# KiCad board ZX Max 128 Issue 3A PCB.kicad_pcb (continued)
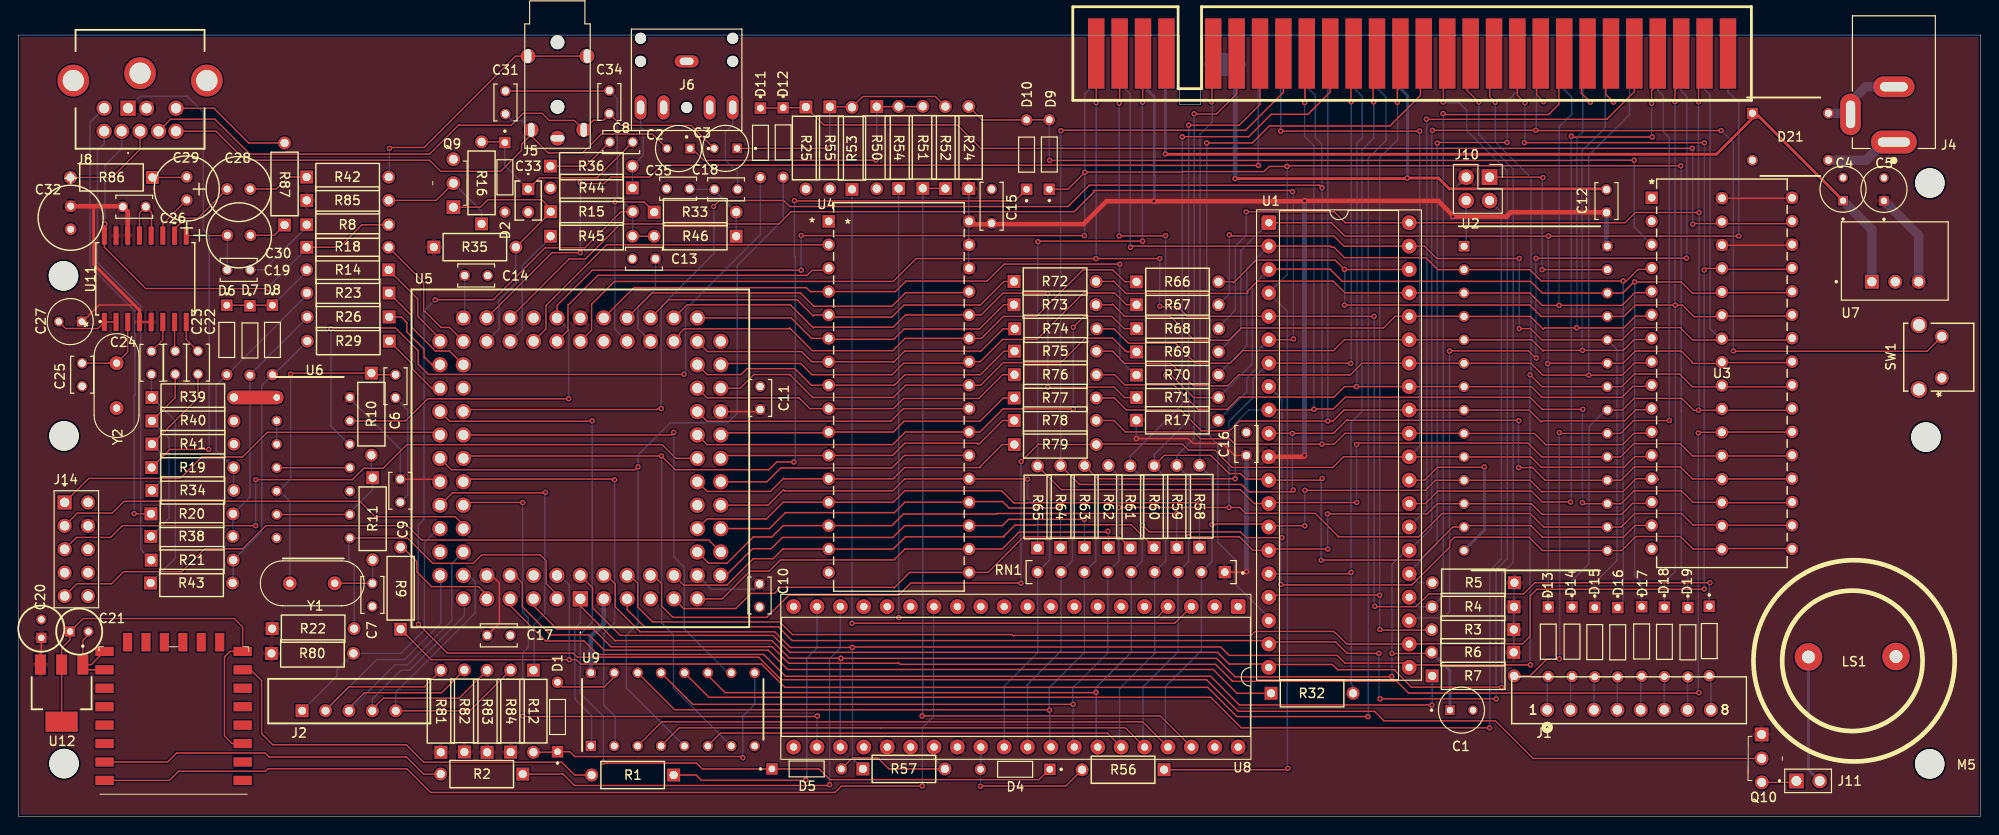
[diagram p0: board, top side]
## Footprints (pads in the part's own frame, mm; a bottom-side part is the same pattern mirrored in y, then rotated) (continued)
  rect 1.778x7.62 smd: B1(-25.4,0) B2(-22.86,0) B3(-20.32,0) B4(-17.78,0) B6(-12.7,0) B7(-10.16,0) B8(-7.62,0) B9(-5.08,0) B10(-2.54,0) B11(0,0) B12(2.54,0) B13(5.08,0) B14(7.62,0) B15(10.16,0) B16(12.7,0) B17(15.24,0) B18(17.78,0) B19(20.32,0) B20(22.86,0) B21(25.4,0) B22(27.94,0) B23(30.48,0) B24(33.02,0) B25(35.56,0) B26(38.1,0) B27(40.64,0) B28(43.18,0)

## Nets
+3V3D: C21.1 U12.2 U12.4 U15.3 U15.8
+9V: C4.1 D21.1 J3.A4 U7.1
+12V: J3.B22
-5V: J3.B20
-12V: J3.B23
GND: C1.2 C4.2 C5.2 C6.2 C7.2 C9.2 C10.2 C11.2 C12.2 C13.2 C14.2 C15.2 C16.2 C17.2 C20.2 C21.2 C25.2 C26.2 C27.2 C32.2 C33.2 C35.2 D2.A D21.2 J3.A6 J3.A7 J3.A14 J5.1 J6.1 J8.10 J8.11 J8.12 J14.02 J14.10 LS1.2 Q9.3 R15.2 R25.2 R39.2 R40.2 R41.2 R54.2 R55.2 SW1.1 SW1.3 SW1.4 U1.29 U2.14 U3.2 U3.16 U4.16 U5.7 U5.19 U5.32 U5.42 U5.47 U5.59 U5.72 U5.82 U6.1 U6.7 U7.2 U8.1 U8.24 U9.8 U11.1 U11.2 U11.12 U11.13 U12.1 U15.15 U15.16 Y2.2
VCC: C5.1 C9.1 C10.1 C11.1 C12.1 C13.1 C14.1 C15.1 C16.1 C17.1 C20.1 C26.1 C27.1 C32.1 J3.A3 J8.2 J10.3 J14.04 Q10.1 R3.1 R4.1 R5.1 R6.1 R17.1 R22.1 R24.1 R35.1 R80.1 R81.1 R82.1 R83.1 R84.1 R85.1 RN1.1 U1.11 U2.28 U3.30 U3.32 U4.30 U4.31 U4.32 U5.3 U5.13 U5.26 U5.38 U5.43 U5.53 U5.66 U5.78 U6.14 U7.3 U8.25 U8.28 U8.40 U9.16 U11.4 U11.5 U11.14 U11.15 U12.3
/Turbo Sound/L-in: C3.1 R52.2 R53.2 R55.1
/Turbo Sound/R-in: C2.1 R50.2 R51.2 R54.1
A0: J3.A9 R79.2 U1.30 U2.10 U3.12 U5.8
A1: J3.A10 R78.2 U1.31 U2.9 U3.11 U5.61
A2: J3.A11 R77.2 U1.32 U2.8 U3.10
A3: J3.A12 R76.2 U1.33 U2.7 U3.9
A4: J3.A24 R75.2 U1.34 U2.6 U3.8
A5: J3.A23 R74.2 U1.35 U2.5 U3.7
A6: J3.A22 R73.2 U1.36 U2.4 U3.6
A7: J3.A21 R72.2 U1.37 U2.3 U3.5
A8: D18.K J3.B26 R66.2 U1.38 U2.25 U3.27
A9: D15.K J3.A27 R67.2 U1.39 U2.24 U3.26
A10: D14.K J3.B27 R68.2 U1.40 U2.21 U3.23
A11: D13.K J3.A28 R69.2 U1.1 U2.23 U3.25
A12: D16.K J3.A2 R70.2 U1.2 U2.2 U3.4
A13: D17.K J3.B2 R71.2 U1.3 U2.26 U3.28
A14: D9.K D19.K J3.A1 R56.1 U1.4 U5.45 U6.13
A15: D20.K J3.B1 U1.5 U5.44
A-AY: R50.1 U8.4
Audio-L: C3.2 C34.2 J5.2 J8.8
Audio-R: C2.2 C31.2 J5.4 J8.9
B: C22.1 R34.1 R41.1
B-AY: R53.1 U8.3
BANK: R12.1 U5.68
BC1: D4.A R56.2 U8.29
BDIR: D5.A R57.2 U8.27
BK0: U5.67 U9.2
BK1: D12.A U5.64 U9.5
BK2: D10.K U5.65 U9.7
blue: R23.1 U5.57
bright: R14.1 U5.54
BUSAK: J3.A26 U1.23
BUSRQ: J3.A19 R5.2 U1.25
C-AY: R51.1 R52.1 U8.38
CLK: R17.2 U1.6 U5.49
CLK28: R22.2 U5.83 U6.8
CLKAY: U5.69 U8.22
CLKB: J3.A8 U5.51
Comp: J5.3 R42.2
Croma: J8.6 R87.2
Csync: J8.4 R8.2 R18.1 U11.16
D0: J3.B6 R58.2 RN1.2 U1.14 U2.11 U3.13 U8.37 U9.3
D1: J3.B7 R59.2 RN1.3 U1.15 U2.12 U3.14 U8.36 U9.4
D2: J3.B8 R60.2 RN1.4 U1.12 U2.13 U3.15 U8.35 U9.6
D3: J3.B11 R61.2 RN1.5 U1.8 U2.15 U3.17 U8.34 U9.11
D4: J3.B12 R62.2 RN1.6 U1.7 U2.16 U3.18 U8.33 U9.13
D5: J3.B10 R63.2 RN1.7 U1.9 U2.17 U3.19 U8.32 U9.14
D6: J3.B9 R64.2 RN1.8 U1.10 U2.18 U3.20 U8.31
D7: J3.B3 R65.2 RN1.9 U1.13 U2.19 U3.21 U8.30
EAR: Q9.1 R35.2 R44.1 U5.52
G: C23.1 R38.1 R40.1
green: R26.1 U5.56
HALT: J3.B15 U1.18
IN1: U8.17
IN2: U8.16
IN3: U8.15
IN4: U8.14 U15.22
INT: J3.B13 R32.2 U1.16
INTx: R32.1 U5.80
IOREQ: R9.2 U5.77
IORQ: J3.B17 U1.20 U5.2
IORQULA: J3.A13 R9.1 U5.84
KB0: J2.1 R80.2 U5.70
KB1: J2.2 R81.2 U5.74
KB2: J2.3 R82.2 U5.73
KB3: J2.4 R83.2 U5.75
KB4: J2.5 R84.2 U5.76
Luma: J8.5 R86.2
M1: J3.B24 U1.27
MIC: R33.1 U5.40
MIDI: R1.2 U15.7
MREQ: J3.B16 U1.19 U5.5
nA14: D11.A U6.12
NMI: J3.B14 R3.2 U1.17
OUT1: U8.21
OUT2: U8.20
OUT3: R1.1 U8.19
OUT4: R2.1 U8.18
PSG: D4.K D5.K U5.60
R: C24.1 R39.1 R43.1
RAM: U3.22 U5.81
RD: J3.B18 R57.1 U1.21 U2.22 U3.24 U5.4
red: R29.1 U5.58
RFSH: J3.B25 U1.28
ROM: R7.1 U5.79
ROM0: J10.2 U9.12
ROMCS: J3.A25 R7.2 U2.20
RST: C1.1 J3.A20 R6.2 SW1.2 U1.26 U5.1 U8.23 U9.1
SPK: R45.1 U5.50
sync: R18.2 U5.55
TCK1: J14.01 U5.62
TDI1: J14.09 U5.14
TDO1: J14.03 U5.71
TMS1: J14.05 U5.23
UA14: D9.A D10.A R24.2 U3.3
UA15: D11.K D12.K R25.1 U3.31
VA0: R79.1 U4.12 U5.21
VA1: R78.1 U4.11 U5.22
VA2: R77.1 U4.10 U5.24
VA3: R76.1 U4.9 U5.29
VA4: R75.1 U4.8 U5.31
VA5: R74.1 U4.7 U5.34
VA6: R73.1 U4.6 U5.33
VA7: R72.1 U4.5 U5.37
VA8: R66.1 U4.27 U5.36
VA9: R67.1 U4.26 U5.30
VA10: R68.1 U4.23 U5.25
VA11: R69.1 U4.25 U5.28
VA12: R70.1 U4.4 U5.41
VA13: R71.1 U4.28 U5.35
VA14: U4.3 U5.46
VA15: U4.2 U5.48
VB: U5.63 U9.10
VCS: U4.22 U5.20
VD0: R58.1 U4.13 U5.17
VD1: R59.1 U4.14 U5.15
VD2: R60.1 U4.15 U5.10
VD3: R61.1 U4.17 U5.9
VD4: R62.1 U4.18 U5.11
VD5: R63.1 U4.19 U5.12
VD6: R64.1 U4.20 U5.16
VD7: R65.1 U4.21 U5.18
VRD: U4.24 U5.27
VWR: U4.29 U5.39
WAIT: J3.B21 R4.2 U1.24
WR: J3.B19 U1.22 U3.29 U5.6
Net-(C6-Pad1): C6.1 R10.1 U6.5 Y1.1
Net-(C7-Pad1): C7.1 R11.2 Y1.2
Net-(C8--): C8.2 R36.1
Net-(C18-+): C18.1 C35.1 R33.2 R46.1
Net-(C18--): C18.2 J6.5
Net-(C19-+): C19.1 C30.1 U11.9
Net-(C19--): C19.2 R8.1
Net-(C22--): C22.2 U11.8
Net-(C23--): C23.2 U11.7
Net-(C24--): C24.2 U11.6
Net-(C25-+): C25.1 U11.3 Y2.1
Net-(C28-Pad2): C28.2 R42.1
Net-(C29-Pad2): C29.2 R86.1
Net-(C30-Pad2): C30.2 R87.1
Net-(C31-+): C31.1 C34.1 Q10.2 R44.2 R45.2 R46.2
Net-(C33-+): C8.1 C33.1 D2.K R16.2
Net-(D6-PadA): D6.A R19.2 R23.2 R34.2
Net-(D6-PadK): D6.K D7.K D8.K R14.2
Net-(D7-PadA): D7.A R20.2 R26.2 R38.2
Net-(D8-PadA): D8.A R21.2 R29.2 R43.2
Net-(D13-PadA): D13.A J1.1
Net-(D14-PadA): D14.A J1.2
Net-(D15-PadA): D15.A J1.3
Net-(D16-PadA): D16.A J1.4
Net-(D17-PadA): D17.A J1.5
Net-(D18-PadA): D18.A J1.6
Net-(D19-PadA): D19.A J1.7
Net-(D20-PadA): D20.A J1.8
Net-(D21-~_1): D21.3 J4.1
Net-(D21-~_2): D21.4 J4.2 J4.3
Net-(J6-Pad2): J6.2 R15.1 R36.2
Net-(J8-Pad1): J8.1 R19.1
Net-(J8-Pad3): J8.3 R20.1
Net-(J8-Pad7): J8.7 R21.1
Net-(J10-Pin_1): J10.1 U2.27
Net-(J10-Pin_4): J10.4 U2.1
Net-(J11-Pad2): J11.2 LS1.1
Net-(Q9-B): Q9.2 R16.1 R85.2
Net-(Q10-E): J11.1 Q10.3
Net-(R10-Pad2): R10.2 R11.1 U6.6 U6.9
Net-(U6-Pad2): U6.2 U6.3
Net-(U6-Pad11): U6.4 U6.11
Net-(U9-6Q): D1.A U9.15
Net-(U9-CLK): D1.K R12.2 U9.9
Net-(U11-COMP): C28.1 U11.10
Net-(U11-LUMA): C29.1 U11.11
Net-(U15-RXD0/RXD): R2.2 U15.21

Pads without a net: J3 A15 A16 A17 A18 B4 B28; J6 3 4; J14 06 07 08; U3 1; U4 1; U6 10; U8 2 5 6 7 8 9 10 11 12 13 26 39; U15 1 2 4 5 6 9 10 11 12 13 14 17 18 19 20

## Via types
v1: diameter 0.6, hole 0.3, Top to Bottom, 206 vias

## Routing (per net, layer and track width the routed paths; a pad name or vN(x,y) marks a point on that pad's centre or on a via; arc(x,y) is an arc through that point)
+3V3D: length 45.6
  Top w0.15: U15.3 23.2,7.92 22.37,8.75 22.37,17.33 22.96,17.92 U15.8 24.35,20.57 23.43,21.49 7.01,21.49 C21.1 5.6,19.19 4.69,18.28 U12.2 U12.4
+9V: length 101.4
  Top w0.15: 188.25,75.69 188.25,76.3 D21.1 188.58,76.32 ; v1(124.5,71.91) 124.54,71.87
  Top w0.3: C4.1 198.07,66.85 188.6,76.32 188.58,76.32 ; 124.54,71.87 184.33,71.87 188.23,75.77 D21.1
  Bottom w0.15: J3.A4 124.5,82.68
  Bottom w0.3: 124.5,82.68 v1(124.5,71.91)
  Bottom w1: U7.1 201.2,63.71 C4.1
+12V: length 5.9
  Top w0.15: v1(170.64,77.53) 169.67,78.5 169.67,82.13 J3.B22
-5V: length 5.7
  Top w0.15: J3.B20 164.81,82.35 164.81,78.33 v1(165.56,77.58)
-12V: length 5.9
  Top w0.15: J3.B23 172.31,82.23 172.31,78.37 v1(173.15,77.53)
GND: length 129.6
  Top w0.15: U11.13 13.14,65.49 C26.2 14.45,65.55 14.45,63.09 U11.12 ; U12.1 7.56,15.92 U15.16 ; U12.1 6.99,19.12 7.6,19.73 C21.2 ; U12.1 7.92,16.49 U15.15 ; U11.2 U11.1 8.62,52.96 5.13,52.96 C27.2 ; v1(159.13,37.94) 159.09,37.9 154.04,37.9 152.64,36.5 U1.29 ; v1(150.75,69.29) 150.72,69.32
  Top w0.3: C12.2 172.31,68.12 155.31,68.12 154.14,69.29 v1(150.75,69.29) ; 150.72,69.32 150.63,69.23 v1(132.07,69.23)
  Top w1.5: U6.1 R39.2
  Bottom w0.15: 150.79,69.33 v1(150.75,69.29) ; J3.A14 150.79,82.03 ; C9.2 42.26,34.91 42.26,44.13 C6.2
  Bottom w0.3: 150.79,69.33 150.79,78.25 150.02,79.02 150.02,81.26 150.79,82.03 ; v1(159.13,37.94) 159.13,31.07 U2.14
  Bottom w0.5: v1(132.07,69.23) 132.08,69.24 132.08,82.64 J3.A7
  Bottom w2.5: 130,81.6 132,81.6
VCC: length 299
  Top w0.15: C26.1 11.87,65.63 ; U5.66 45.48,36.61 C9.1 ; C17.1 52.21,20.98 52.21,25.34 51.38,26.17 U5.78 ; U5.26 80.29,43.95 C11.1 ; U11.4 U11.5 ; U11.4 13.14,53.67 13.14,55.03 12.65,55.52 8.76,55.52 6.95,53.71 C27.1 ; U11.4 13.14,54.71 ; U3.30 184.94,62 192.47,62 U3.30 ; v1(133.32,26.57) 133.28,26.53 RN1.1 ; 192.16,61.54 192.54,61.92 ; 192.16,66.78 U3.32 192.49,67.1 U3.32 185.25,66.78 ; U12.3 2.49,16.59 C20.1 ; 185.46,61.54 185.13,61.87 184.92,61.87 ; v1(121.36,41.02) 126.99,41.02 127.52,40.49 130.71,40.49 132.01,39.19 C16.1 ; 192.16,66.62 192.54,67 ; 184.92,66.95 185.25,66.62
  Top w0.3: 13.14,54.71 13.14,54.94 8.16,59.92 8.16,66.23
  Top w0.5: U1.11 139.49,39.04 139.61,39.16 v1(139.61,39.2) ; C32.1 11.27,66.23 11.87,65.63 U11.14 ; C12.1 172.35,65.58 162,65.58 161.53,65.11 155.83,65.11 154.13,66.81 v1(139.61,66.81) 139.57,66.77 118.1,66.77 115.62,64.29 105.13,64.29 105.11,64.27 103.52,64.27 U4.32
  Bottom w0.15: U6.14 35.98,45.35 41.46,39.87 C9.1 ; U5.13 75.2,24.67 79.88,24.67 C10.1 ; U5.53 48.44,54.25 C14.1 ; v1(121.36,41.02) 121.35,41.03 R17.1 ; C13.1 69.15,57.24 67.26,55.35 67.26,52.93 U5.38 ; R5.1 162.35,25.34 R4.1 162.33,22.74 R3.1 162.32,20.28 R6.1 ; J10.3 155.7,67.93 v1(155.7,65.11) ; 172.39,61.99 U2.28 ; 133.3,26.59 v1(133.32,26.57) ; U4.30 103.16,59.55 R24.1 ; 202.53,66.81 C5.1 ; v1(123.25,66.77) 123.3,66.82
  Bottom w0.3: J3.A3 122.59,82.29 122.59,78.82 123.3,78.11 123.3,66.82
  Bottom w0.5: v1(139.61,66.81) v1(139.61,39.2) ; C16.1 133.3,26.59 ; U5.3 63.54,20.98 62.14,19.58 U9.16 ; C12.1 172.39,61.99
  Bottom w1: 202.53,66.81 206.28,63.06 U7.3
/Turbo Sound/L-in: length 28.1
  Top w0.15: R52.2 99.53,78.14 91.66,78.14 R53.2 90.43,77.02 R55.1 ; 88.08,72.56 v1(88.07,72.57) 88.01,72.51 C3.1
  Bottom w0.15: R55.1 88.08,72.58 v1(88.07,72.57)
/Turbo Sound/R-in: length 31.6
  Top w0.15: R54.1 98.14,77.04 R51.2 ; v1(93.08,71.25) 93.05,71.22 75.15,71.22 75.13,71.2 74.41,71.2 73.12,72.49 C2.1
  Bottom w0.15: R54.1 93.17,71.34 v1(93.08,71.25)
A0: length 189.5
  Top w0.15: v1(137.03,74.38) v1(152.12,74.38) ; v1(108.85,38.53) 110.73,40.41 110.97,40.41 111.01,40.37 R79.2 117.07,40.43 126.35,40.43 126.35,40.42 127,39.77 129.87,39.77 131.75,37.89 142.65,37.89 142.67,37.87 143.84,39.04 U1.30 156.91,39.04 U2.10 164.19,39.03 165.3,37.92 174.3,37.92 175.44,39.06 177.3,39.06 ; U5.8 68.94,26.17 69.82,25.29 69.82,22.84 71.04,21.62 81.31,21.62 81.31,21.7 83.63,24.02 95.56,24.02 96.88,25.34 108.82,25.34 v1(108.83,25.33)
  Bottom w0.15: v1(137.03,74.38) 137.03,82.51 J3.A9 ; v1(152.12,74.38) 152.12,40.19 U1.30 ; v1(108.83,25.33) 108.83,38.51 v1(108.85,38.53)
A1: length 219.6
  Top w0.15: v1(69.79,44.28) 69.42,44.28 69.31,44.17 48.52,44.17 U5.61 ; R78.2 118.92,42.98 120.16,41.74 127.58,41.74 128.32,41 131.47,41 132.06,40.41 v1(141.5,40.41) 142.82,40.41 143.99,41.58 U1.31 156.91,41.58 U2.9 164.58,41.57 165.79,40.36 174.13,40.36 175.32,41.55 175.35,41.55 175.4,41.6 177.3,41.6 ; v1(75.46,66.2) 76.11,66.85 83.08,66.85 83.73,66.2 113.93,66.2 116.24,68.51 141.25,68.51 v1(141.52,68.24)
  Bottom w0.15: J3.A10 139.86,79.2 140.79,78.27 140.79,73.68 141.49,72.98 141.49,68.27 v1(141.52,68.24) 141.5,68.22 v1(141.5,40.41) ; v1(75.46,66.2) 75.5,66.16 75.5,61.09 69.79,55.38 v1(69.79,44.28)
A2: length 103.9
  Top w0.15: 177.3,44.14 175.57,44.14 174.37,42.94 165.43,42.94 165.3,42.81 164,44.11 U2.8 156.91,44.12 U1.32 143.9,44.12 142.7,42.92 v1(142.14,42.92) 132.55,42.92 131.49,41.86 128.42,41.86 126.24,44.04 126.24,44.13 120.26,44.13 118.97,45.42 R77.2
  Bottom w0.15: J3.A11 142.4,79.1 142.14,78.84 142.14,42.92 v1(142.14,42.92)
A3: length 100.6
  Top w0.15: 177.3,46.68 175.24,46.68 174.05,45.49 165.41,45.49 164.25,46.65 U2.7 156.91,46.66 U1.33 v1(145.25,46.66) 143.94,46.66 142.8,45.52 132.55,45.52 131.22,44.19 128.07,44.19 125.41,46.85 120.1,46.85 119,47.95 R76.2
  Bottom w0.15: J3.A12 144.94,79.11 145.89,78.16 145.89,73.68 145.3,73.09 145.3,46.71 v1(145.25,46.66)
A4: length 100.9
  Top w0.15: 177.3,49.22 175.42,49.22 174.06,47.86 174.02,47.9 v1(170.47,47.9) 165.48,47.9 164.19,49.19 U2.6 150.99,49.19 U1.34 145.85,49.2 144.58,47.93 132.47,47.93 131.29,46.75 127.54,46.75 125.11,49.18 120.08,49.18 118.76,50.5 R75.2
  Bottom w0.15: v1(170.47,47.9) 170.47,47.9 170.47,71.75 174.89,76.17 174.89,82.27 J3.A24
A5: length 97.4
  Top w0.15: R74.2 118.93,52.93 120.51,51.35 125.62,51.35 127.77,49.2 131.55,49.2 132.92,50.57 142.76,50.57 143.93,51.74 U1.35 156.91,51.74 U2.5 164.3,51.73 165.51,50.52 165.58,50.59 v1(169.78,50.59) 174.23,50.59 175.4,51.76 177.3,51.76
  Bottom w0.15: J3.A23 172.25,82.17 172.25,74.76 169.74,72.25 169.74,50.63 v1(169.78,50.59)
A6: length 94.5
  Top w0.15: R73.2 118.71,55.54 118.77,55.6 120.04,54.33 120.04,54.29 125.05,54.29 127.65,51.69 131.41,51.69 132.74,53.02 148.18,53.02 149.44,54.28 U1.36 156.91,54.28 U2.4 164.13,54.27 165.51,52.89 165.65,53.03 v1(169.16,53.03) 174.27,53.03 175.54,54.3 177.3,54.3
  Bottom w0.15: J3.A22 169.82,82.28 169.82,74.25 169.18,73.61 169.18,53.05 v1(169.16,53.03)
A7: length 91.6
  Top w0.15: 177.3,56.84 175.46,56.84 174.09,55.47 v1(167.25,55.47) 165.41,55.47 164.07,56.81 U2.3 156.91,56.82 U1.37 144,56.82 142.72,58.1 134.6,58.1 134.56,58.14 133.45,57.03 133.45,56.77 120.22,56.77 118.87,58.12 118.82,58.07 R72.2
  Bottom w0.15: v1(167.25,55.47) 167.25,74.86 168.54,76.15 168.62,76.15 168.62,78.05 167.8,78.87 J3.A21
A8: length 138.1
  Top w0.15: 184.92,54.25 181.88,54.25 180.59,55.54 180.55,55.5 v1(179.87,55.5) 175.5,55.5 174.27,54.27 U2.25 165.31,54.27 164.07,55.51 v1(143.94,55.51) ; 184.92,54.25 185.09,54.07 ; 184.92,54.25 185.25,53.92 ; R66.2 131.79,58.03 131.9,57.92 134.37,60.39 142.93,60.39 v1(143.94,59.38) 143.96,59.36 U1.38 ; U3.27 185.01,54.31 192.4,54.31 U3.27 ; J3.B26 180.5,79.52 179.83,78.85 v1(179.83,77.59) ; 192.01,54.07 192.16,53.92
  Bottom w0.15: v1(143.94,59.38) 143.97,59.35 143.97,55.54 v1(143.94,55.51) ; D18.K 178.68,25.41 179.87,26.6 v1(179.87,55.5) 179.83,55.54 v1(179.83,77.59)
A9: length 141.9
  Top w0.15: v1(131.45,63.13) 131.58,63 142.8,63 143.9,61.9 U1.39 152.63,61.9 153.97,60.56 v1(162.93,60.56) ; v1(162.91,52.95) 164.07,52.95 164.11,52.99 165.37,51.73 U2.24 174.08,51.73 175.41,53.06 180.5,53.06 180.5,52.95 181.74,51.71 192.49,51.71 192.54,51.76
  Bottom w0.15: v1(131.45,63.13) 131.45,56.71 R67.2 ; J3.A27 183.04,78.9 183.63,78.31 183.63,52.97 184.74,51.86 U3.26 ; U2.24 173.54,50.68 173.54,27.84 173.56,27.82 171.12,25.38 D15.K ; v1(162.91,52.95) 162.93,52.97 v1(162.93,60.56)
A10: length 147.3
  Top w0.15: U2.21 174.12,44.11 175.39,45.38 180.56,45.38 181.85,44.09 v1(182.38,44.09) 192.49,44.09 192.54,44.14 ; v1(133.27,65.62) 142.84,65.62 144.02,64.44 U1.40 174.42,64.44 175.53,65.55 v1(182.44,65.55) ; J3.B27 182.38,82.14 v1(182.38,77.57)
  Bottom w0.15: v1(182.38,44.09) 182.44,44.15 v1(182.44,65.55) 182.38,65.61 v1(182.38,77.57) ; R68.2 130.3,53.14 132.1,54.94 132.1,61.9 133.27,63.07 v1(133.27,65.62) ; D14.K 168.65,25.62 168.92,25.89 168.94,25.89 170.49,27.44 170.49,42.3 172.3,44.11 U2.21
A11: length 156.3
  Top w0.15: v1(166,49.15) 166.04,49.19 U2.23 174.18,49.19 175.5,50.51 180.52,50.51 181.66,49.37 181.66,49.28 181.77,49.17 184.92,49.17 185.01,49.26 192.5,49.26 192.54,49.22 ; U1.1 142.54,64.44 143.99,62.99 v1(166.08,62.99) v1(186.76,62.99)
  Bottom w0.15: J3.A28 185.58,78.64 186.76,77.46 v1(186.76,62.99) ; R69.2 132.7,52.85 132.7,61.43 134.69,63.42 134.71,63.42 U1.1 ; v1(166.08,62.99) 166.08,49.23 v1(166,49.15) 166.07,49.08 D13.K
A12: length 132.2
  Top w0.15: 177.3,59.38 175.81,59.38 174.55,58.12 v1(174.2,58.12) 165.31,58.12 164.08,59.35 U2.2 154.08,59.35 152.78,60.65 143.94,60.65 142.81,61.78 142.53,61.78 142.41,61.9 U1.2 120.84,61.9 v1(120.72,61.78)
  Bottom w0.15: D16.K 174.2,23.28 v1(174.2,58.12) ; U1.2 133.35,59.52 133.35,51.1 130.28,48.03 R70.2 ; v1(120.72,61.78) 120.69,61.81 120.69,78.41 119.54,79.56 J3.A2
A13: length 158.5
  Top w0.15: J3.B2 119.54,77.44 v1(119.5,77.4) ; v1(119.5,63.01) 124.5,63.01 v1(124.53,63.04) ; 192.16,56.46 192.54,56.84 192.53,56.85 184.98,56.85 184.92,56.79 ; 184.92,56.79 185.25,56.46 ; 184.92,56.79 181.73,56.79 180.53,57.99 180.53,58.01 175.56,58.01 175.5,58.07 v1(175.45,58.02) 175.37,58.02 174.16,56.81 U2.26 165.42,56.81 164.15,58.08 143.71,58.08 142.38,59.41 135.78,59.41 U1.3 ; R71.2 127.58,45.47 125.16,47.89 v1(124.53,47.89)
  Bottom w0.15: v1(119.5,77.4) v1(119.5,63.01) ; v1(124.53,63.04) v1(124.53,47.89) ; R71.2 133.92,49.11 133.92,57.55 U1.3 ; v1(175.45,58.02) 175.45,26.26 175.38,26.19 176.21,25.36 D17.K
A14: length 316.8
  Top w0.15: v1(115.71,63.05) v1(84.96,63.05) 84.91,63.1 ; R56.1 137.65,5.08 137.76,5.19 137.76,5.21 137.79,5.24 v1(137.81,5.24) ; D9.K 113.93,68.08 v1(115.76,69.91) 115.78,69.93 126.37,69.93 126.43,69.99 135.23,69.99 135.79,70.55 v1(137.72,70.55) 137.79,70.62 v1(180.45,70.62) ; v1(84.98,59.29) 84.97,59.3 62.3,59.3 58.46,55.46 U5.45 ; U6.13 42.02,42.94 44.42,45.34 v1(59.73,45.34)
  Bottom w0.15: v1(137.72,70.55) 137.72,58.81 U1.4 137.75,54.81 137.75,5.3 v1(137.81,5.24) ; U5.45 59.73,52.84 v1(59.73,45.34) ; v1(180.45,70.62) 180.49,70.58 180.49,43.96 180.54,43.91 180.51,43.88 180.51,27.12 181.23,26.4 D19.K ; v1(84.98,59.29) 84.96,59.31 v1(84.96,63.05) ; J3.A1 117,79.65 115.76,78.41 v1(115.76,69.91) 115.76,63.1 v1(115.71,63.05)
A15: length 191
  Top w0.15: v1(147.23,22.82) 147.27,22.78 151.72,22.78 153.1,24.16 163.4,24.16 164.62,25.38 v1(183.63,25.38) ; v1(116.99,77.46) 117,77.47 J3.B1 ; U5.44 62.22,52.79 62.22,55.6 64.69,58.07 94.97,58.07 97.45,60.55 v1(116.97,60.55) v1(123.9,60.55) ; v1(123.9,55.37) 123.94,55.33 125.84,55.33 126.89,54.28 127.16,54.28 127.16,54.28 U1.5 147.15,54.28 v1(147.15,54.28)
  Bottom w0.15: v1(116.97,60.55) 116.99,60.57 v1(116.99,77.46) ; v1(123.9,55.37) 123.87,55.4 123.87,57.63 123.9,57.66 v1(123.9,60.55) ; D20.K 183.55,25.3 v1(183.63,25.38) ; v1(147.23,22.82) 147.17,22.88 147.17,54.26 v1(147.15,54.28)
A-AY: length 76.3
  Top w0.15: v1(95.57,21.6) 123.6,21.6 U8.4
  Bottom w0.15: v1(95.57,21.6) 95.57,21.85 95.55,21.87 R50.1
Audio-L: length 67.4
  Top w0.15: J8.8 16.51,75.67 21.34,75.67 25.12,71.89 44.64,71.89 47.84,75.09 47.91,75.02 53.5,75.02 54.79,76.31 56.85,76.31 57.62,75.54 60.35,75.54 J5.2 62.41,75.56 63.53,75.56 64.14,76.17 C34.2 65.42,75.01 73.02,75.01 C3.2
Audio-R: length 64.1
  Top w0.15: J8.9 21.46,74.37 24.61,71.22 44.62,71.22 45.82,70.02 52.35,70.02 54.62,72.29 54.62,72.96 55.67,74.01 J5.4 55.67,73.85 57.5,72.02 61.24,72.02 63.28,74.06 68.84,74.06 C2.2
  Bottom w0.15: J5.4 54.67,75.52 53.59,75.52 C31.2
B: length 15.4
  Top w0.15: R41.1 19.49,45.41 C22.1
  Bottom w0.15: R41.1 15.38,39.53 15.38,36.29 R34.1
B-AY: length 84.7
  Top w0.15: v1(90.47,20.98) 125.52,20.98 U8.3
  Bottom w0.15: v1(90.47,20.98) 90.49,21 R53.1
BANK: length 31.9
  Top w0.15: v1(57.23,35.18) 56.94,35.18 56.89,35.13 47.1,35.13 U5.68
  Bottom w0.15: v1(57.23,35.18) 57.14,35.09 57.14,22.03 55.98,20.87 55.98,15.96 R12.1
BC1: length 16.1
  Top w0.15: R56.2 113.7,3.32 104.42,3.32
  Bottom w0.15: 104.48,3.21 104.43,3.26 v1(104.43,3.28) D4.A 104.47,5.17 U8.29
BDIR: length 15.1
  Top w0.15: D5.A 90.53,6.37 93.3,6.37 94.5,5.17 R57.2
  Bottom w0.15: U8.27 99.39,6.36 R57.2
BK0: length 46.5
  Top w0.15: U5.67 48.59,36.62 64.64,36.62 v1(64.72,36.54)
  Bottom w0.15: U9.2 64.77,7.75 64.77,10.86 63.54,12.09 63.54,19.85 64.72,21.03 v1(64.72,36.54)
BK1: length 97.2
  Top w0.15: U5.64 47,37.63 66.94,37.63 v1(67.26,37.95)
  Bottom w0.15: U9.5 65.99,13.97 65.99,19.65 67.26,20.92 v1(67.26,37.95) 67.26,39.23 70.76,42.73 77,42.73 78.03,43.76 78.03,59.8 83.02,64.79 D12.A
BK2: length 125.8
  Top w0.15: D10.K 108.18,66.8 84.28,66.8 v1(84.24,66.84) ; v1(84.18,38.48) 82.31,38.48 81.47,37.64 71.3,37.64 v1(69.81,39.13) 48.56,39.13 U5.65
  Bottom w0.15: v1(84.18,38.48) 84.33,38.63 84.33,60.73 84.24,60.82 v1(84.24,66.84) ; v1(69.81,39.13) 69.81,21.01 71.1,19.72 71.1,13.94 U9.7
blue: length 12
  Top w0.15: R23.1 42.7,54.34 42.7,53.09 45.27,50.52 46.81,50.52 U5.57
bright: length 10.1
  Top w0.15: R14.1 43.35,56.17 43.35,54.28 45.76,51.87 U5.54
BUSAK: length 92.5
  Top w0.15: v1(155.35,50.52) 155.37,50.54 163.92,50.54 164.69,49.77 v1(164.78,49.77) ; v1(164.73,60.57) 164.75,60.59 v1(181.07,60.59)
  Bottom w0.15: J3.A26 180.5,78.73 181.12,78.11 181.12,60.64 v1(181.07,60.59) ; v1(164.78,49.77) 164.73,49.82 v1(164.73,60.57) ; U1.23 151.28,21.57 154.68,21.57 155.37,22.26 155.35,22.28 v1(155.35,50.52)
BUSRQ: length 68.6
  Top w0.15: v1(154.02,73.08) 154.09,73.15 v1(161.6,73.15)
  Bottom w0.15: R5.2 152.23,25.38 152.22,25.39 151.93,25.39 U1.25 150.97,26.54 154.02,29.59 v1(154.02,73.08) ; J3.A19 162.72,78.71 161.6,77.59 v1(161.6,73.15)
C-AY: length 90.4
  Top w0.15: v1(98.1,10.92) 123.95,10.92 U8.38 ; R51.1 100.6,68.17 R52.1
  Bottom w0.15: R51.1 98.17,10.99 v1(98.1,10.92)
CLK: length 120.6
  Top w0.15: U5.49 59.77,60.5 59.77,60.51 61.55,60.51 65.35,64.31 82.55,64.31 83.88,65.64 114.62,65.64 116.75,67.77 116.75,67.94 138.17,67.94 v1(138.31,67.8) ; U1.6 138.33,51.74 v1(138.41,51.82)
  Bottom w0.15: U1.6 134.5,50.51 134.5,48.72 133.35,47.57 133.35,46.1 R17.2 ; v1(138.41,51.82) 138.41,67.7 v1(138.31,67.8)
CLK28: length 37.8
  Top w0.15: U5.83 58.46,24.11 57.29,25.28 57.29,27.76 56.65,28.4 50.3,28.4 49.38,27.48 44.99,27.48 42.23,30.24 U6.8
  Bottom w0.15: U6.8 35.87,30.13 35.87,27.75 36.44,27.18 R22.2
CLKAY: length 65.7
  Top w0.15: v1(54.76,10.9) 54.8,10.86 86.67,10.86 v1(86.73,10.92) ; U5.69 48.6,34.09 54.72,34.09 v1(54.74,34.07)
  Bottom w0.15: U8.22 86.69,10.88 v1(86.73,10.92) ; v1(54.74,34.07) 54.74,22.17 55.35,21.56 55.35,18.38 54.74,17.77 54.74,10.92 v1(54.76,10.9)
CLKB: length 107.4
  Top w0.15: v1(60.99,68.79) 61.1,68.68 63.58,68.68 64.29,69.39 68.54,69.39 69.83,70.68 123.02,70.68 123.04,70.66 v1(134.61,70.66) ; U5.51 57.92,61.19 v1(60.99,61.19)
  Bottom w0.15: v1(60.99,68.79) v1(60.99,61.19) ; v1(134.61,70.66) 134.6,70.67 134.6,82.62 J3.A8
Comp: length 28.7
  Top w0.15: v1(40.28,72.51) 40.38,72.61 44.05,72.61 53.96,82.52 J5.3 J5.3
  Bottom w0.15: R42.2 40.27,69.48 40.27,72.5 v1(40.28,72.51)
Croma: length 13.3
  Top w0.15: R87.2 25,73.1 21.23,76.87 J8.6
Csync: length 49.4
  Top w0.15: R18.1 34.85,61.77 37.3,64.22 R8.2 ; v1(27.08,57.3) 13.81,57.3 9.33,61.78 U11.16 9.33,64.26 v1(9.39,64.32)
  Bottom w0.15: v1(9.39,64.32) 9.39,70.68 11.21,72.5 J8.4 ; 27.06,56.98 27.06,57.41 31.29,61.64 R18.1
D0: length 193.4
  Top w0.15: U9.3 69.84,10.28 122.05,10.28 U8.37 ; J3.B6 129.56,82.66 129.56,77.62 v1(129.51,77.57) ; v1(129.56,31.69) 129.99,31.69 130.05,31.75 135.41,31.75 U1.14 135.87,31.56 v1(139.65,31.56) ; v1(139.65,35.4) 152.73,35.4 153.82,36.49 U2.11 164.11,36.49 165.37,35.23 165.41,35.27 174.2,35.27 175.59,36.66 177.97,36.66 178.04,36.59 177.97,36.52 177.3,36.52
  Bottom w0.15: v1(129.51,77.57) 129.6,77.48 129.6,75.37 128.27,74.04 128.27,38.19 R58.2 129.56,36.77 v1(129.56,31.69) 129.56,27.67 RN1.2 128.42,18.03 124.51,14.12 124.51,7.82 U8.37 ; v1(139.65,35.4) v1(139.65,31.56)
D1: length 192.5
  Top w0.15: v1(127.64,76.26) 127.66,76.24 130.05,76.24 132.24,78.43 J3.B7 ; U8.36 120.16,9.63 93.62,9.63 93.6,9.61 93.58,9.63 71.73,9.63 U9.4 ; v1(142.1,32.84) 152.92,32.84 154.03,33.95 U2.12 164.25,33.95 165.41,32.79 174.02,32.79 175.21,33.98 177.3,33.98 ; v1(127.03,30.36) 132.56,30.36 134.04,28.88 U1.15 135.89,29.04 142.12,29.04 v1(142.14,29.02)
  Bottom w0.15: v1(127.64,76.26) 127.64,41.07 125.76,39.19 R59.2 127.03,36.83 v1(127.03,30.36) 127.03,27.68 RN1.3 125.88,17.88 122.08,14.08 122.08,7.71 U8.36 ; v1(142.14,29.02) 142.12,29.04 142.12,32.82 v1(142.1,32.84)
D2: length 199.7
  Top w0.15: v1(127.03,75.03) 132.52,75.03 134.78,77.29 J3.B8 ; U9.6 74.84,7.68 76.21,9.05 118.2,9.05 U8.35 ; v1(141.41,27.82) 141.43,27.84 152.13,27.84 155.7,31.41 U2.13 157.1,31.58 164.17,31.58 165.44,30.31 174.23,30.31 175.51,31.59 U3.15 177.3,31.44 ; R60.2 124.41,39.2 129.44,39.2 131.42,37.22 132.67,37.22 133.27,36.62 135.85,36.62 U1.12 141.35,36.5 v1(141.54,36.69)
  Bottom w0.15: v1(141.54,36.69) 141.41,36.56 v1(141.41,27.82) ; U8.35 119.53,7.72 119.53,13.88 123.4,17.75 123.34,17.81 RN1.4 124.55,27.74 124.55,36.82 R60.2 123.29,39.28 127.03,43.02 v1(127.03,75.03)
D3: length 234.4
  Top w0.15: v1(116.97,13.47) 116.96,13.45 76.72,13.45 74.84,15.33 U9.11 ; 192.54,28.9 192.36,29.08 184.96,29.08 184.92,29.04 181.78,29.04 180.43,30.39 175.56,30.39 174.04,28.87 U2.15 165.44,28.87 164,30.31 155.88,30.31 155.37,29.8 155.37,29.24 151.27,25.14 137.09,25.14 v1(137.03,25.2) ; v1(126.34,73.76) 126.36,73.78 133.56,73.78 135.99,76.21 139.98,76.21 142.4,78.63 J3.B11 ; v1(137.16,30.27) 133.27,30.27 132.65,30.89 122.75,30.89 v1(122.02,31.62)
  Bottom w0.15: U8.34 116.99,7.72 116.99,13.45 v1(116.97,13.47) 116.97,14.01 120.8,17.84 RN1.5 122.02,27.75 v1(122.02,31.62) 122.02,36.73 R61.2 120.69,39.09 126.34,44.74 v1(126.34,73.76) ; v1(137.03,25.2) 137.03,30.14 v1(137.16,30.27) 137.16,45.24 U1.8
D4: length 216.9
  Top w0.15: v1(119.46,33.54) v1(131.41,33.54) 132.58,33.54 133.22,32.9 140.78,32.9 143.25,30.43 143.25,30.36 151.91,30.36 151.97,30.3 154.55,32.88 164.12,32.88 165.59,31.41 U2.16 173.98,31.41 175.45,32.88 180.54,32.88 181.77,31.65 185.19,31.65 185.23,31.61 192.37,31.61 192.54,31.44 ; v1(114.5,12.18) 73.18,12.18 U9.13 ; v1(144.62,49.17) 144.59,49.2 U1.7 ; v1(144.67,77.58) 144.65,77.6 144.65,82.51 J3.B12
  Bottom w0.15: v1(144.62,49.17) 144.67,49.22 v1(144.67,77.58) ; U8.33 114.48,7.69 114.48,12.16 v1(114.5,12.18) 114.44,12.24 114.44,13.95 118.26,17.77 RN1.6 119.46,27.73 v1(119.46,33.54) 119.46,36.96 R62.2 ; v1(131.41,33.54) 131.41,42.88 134.06,45.53 134.02,45.57 134.02,47.49 U1.7
D5: length 215.2
  Top w0.15: J3.B10 139.66,82.6 139.66,77.53 v1(139.62,77.49) ; v1(111.93,11.54) 111.88,11.59 71.23,11.59 U9.14 ; R63.2 117.16,36.66 v1(132.08,36.66) ; U1.9 140.56,44.12 v1(140.63,44.19) 140.67,44.23 142.75,44.23 144.02,45.5 164.09,45.5 165.4,44.19 v1(169.83,44.19) ; v1(169.78,34.07) 169.9,33.95 U2.17 173.99,33.95 175.39,35.35 180.54,35.35 181.79,34.1 185.16,34.1 185.2,34.06 192.46,34.06 192.54,33.98
  Bottom w0.15: v1(140.63,44.19) 140.63,72.79 139.62,73.8 v1(139.62,77.49) ; U1.9 133.55,44.12 132.08,42.65 v1(132.08,36.66) ; v1(169.78,34.07) 169.78,44.14 v1(169.83,44.19) ; U8.32 111.95,7.68 111.95,11.52 v1(111.93,11.54) 111.91,11.56 111.91,14 115.72,17.81 RN1.7 116.95,27.76 116.95,36.87 R63.2
D6: length 196.8
  Top w0.15: 192.54,36.52 192.42,36.64 181.73,36.64 180.42,37.95 175.41,37.95 173.95,36.49 U2.18 165.73,36.49 164.26,37.96 164.17,37.87 v1(162.84,37.87) ; v1(138.39,35.44) 138.18,35.23 133.57,35.23 132.76,36.04 115.18,36.04 R64.2 ; J3.B9 137.32,78.59 133.21,74.48 113.21,74.48 v1(113.15,74.42) ; v1(162.87,42.96) 162.83,43 144.35,43 144.26,43.09 142.93,41.76 142.91,41.76 142.73,41.58 v1(138.29,41.58) U1.10
  Bottom w0.15: v1(138.39,35.44) 138.29,35.54 v1(138.29,41.58) ; v1(162.84,37.87) 162.84,42.93 v1(162.87,42.96) ; U8.31 109.55,14.22 109.48,14.29 113.18,17.99 RN1.8 114.42,27.77 114.42,36.8 R64.2 113.13,74.4 v1(113.15,74.42)
D7: length 181
  Top w0.15: 192.54,39.06 192.47,39.13 181.74,39.13 180.41,40.46 175.35,40.46 173.92,39.03 U2.19 165.37,39.03 163.87,40.53 145.42,40.53 v1(145.26,40.37) ; v1(122.03,62.44) 110.73,62.44 v1(110.67,62.38) ; R65.2 113.22,35.47 132.64,35.47 134.15,33.96 U1.13 135.85,34.08 145.27,34.08 v1(145.28,34.09) ; v1(122.03,77.51) 122.04,77.52 122.04,82.76 J3.B3
  Bottom w0.15: v1(122.03,77.51) 122.01,77.49 122.01,62.46 v1(122.03,62.44) ; v1(145.28,34.09) 145.26,34.11 v1(145.26,40.37) ; v1(110.67,62.38) 110.64,62.35 R65.2 111.93,36.76 111.93,27.77 111.88,27.77 RN1.9 110.64,17.79 107.01,14.16 U8.30
EAR: length 28.6
  Top w0.15: Q9.1 50.14,66.13 50.95,66.94 56.81,66.94 57.79,65.96 R44.1 57.79,65.58 R35.2
  Bottom w0.15: R35.2 54,57.87 52.16,56.03 52.16,52.89 U5.52
G: length 20.2
  Top w0.15: R40.1 17.02,45.46 C23.1
  Bottom w0.15: R38.1 16.35,32.38 16.35,41.07 R40.1
green: length 8.8
  Top w0.15: U5.56 44.89,49.03 44.03,49.89 44.03,50.73 42.16,52.6 42.16,53.62 41.56,54.22 R26.1
HALT: length 84.7
  Top w0.15: v1(128.99,73.1) 133.95,73.1 135.79,74.94 148.89,74.94 152.2,78.25 152.2,79.52 152.56,79.88 J3.B15
  Bottom w0.15: v1(128.99,73.1) 128.99,41.6 130.2,40.39 130.2,35.44 130.17,35.41 130.17,29.8 132.1,27.87 132.1,25.23 135.51,21.82 135.51,21.49 U1.18
